# Altium PCB QCopterRC__Pcb.PcbDoc (part 1 of 3)
Units mil, origin at the board's own origin, x right, y up, seen from the top; angles counter-clockwise.
Board outline 6102.36 x 2362.2 mil, 2 copper layers (Top Layer, Bottom Layer); 121 components, 126 nets, 538 pads, 183 vias.
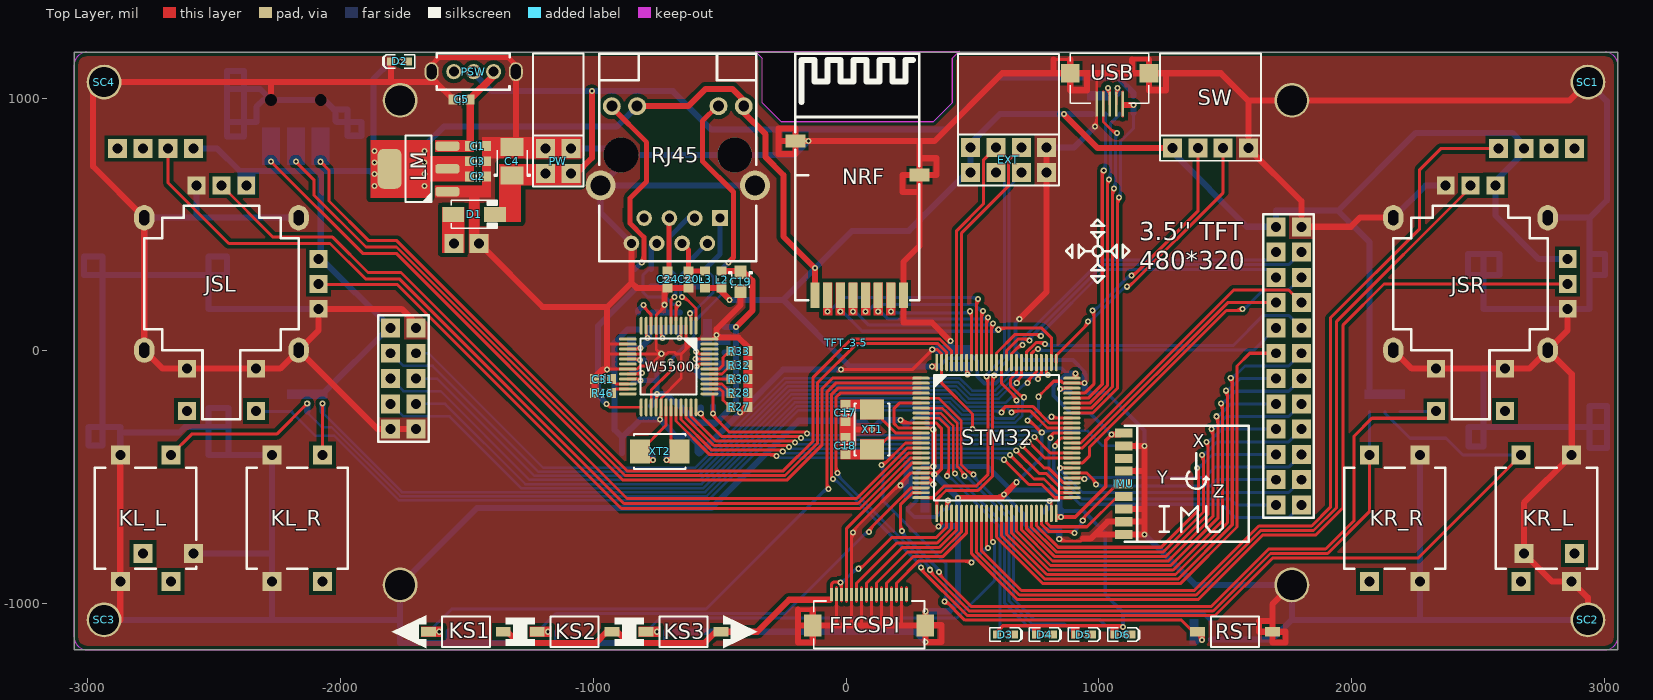
[diagram p0: Top Layer view]
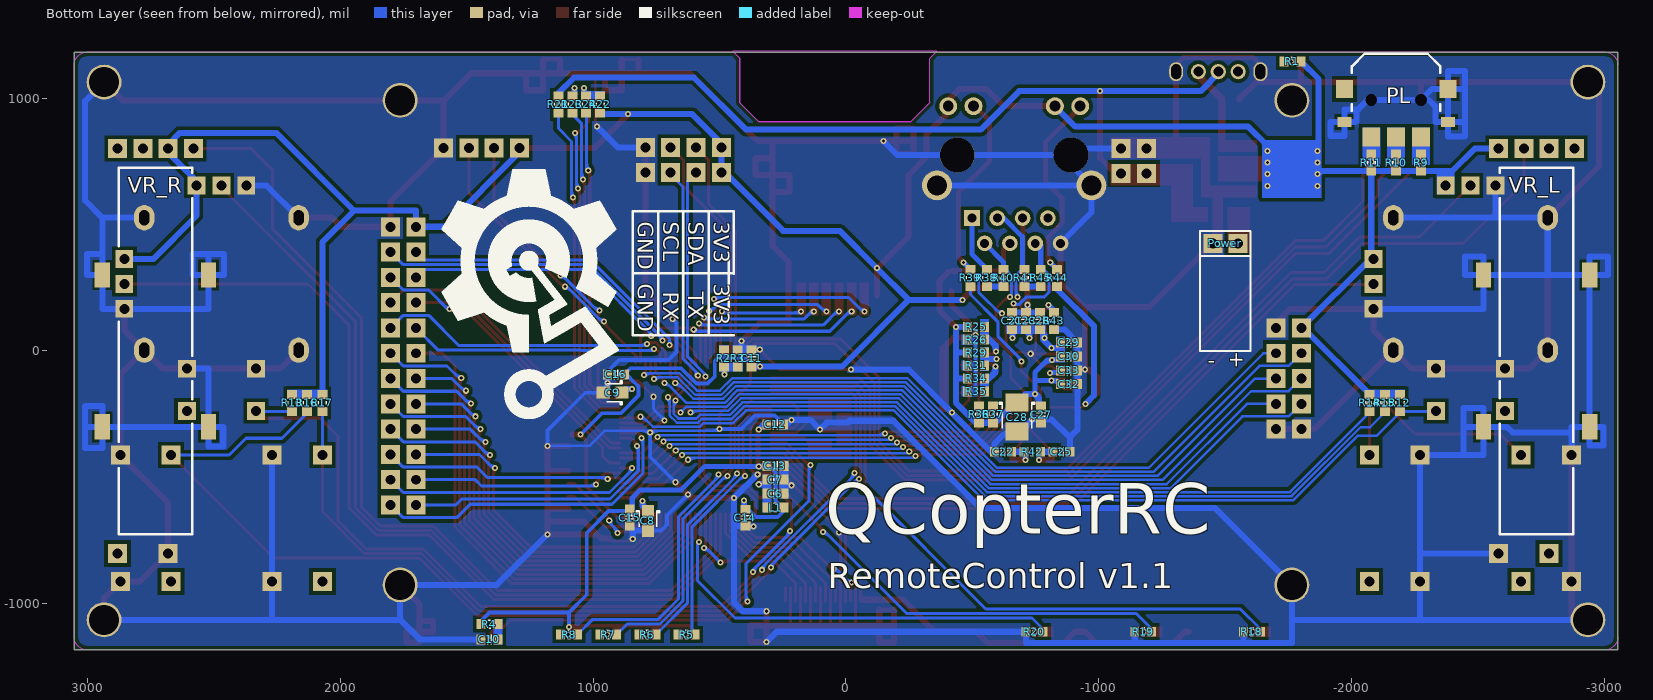
[diagram p1: Bottom Layer view, seen from below]

## Layer stack, top to bottom
Top Layer: signal copper 1.4
Dielectric: dielectric 12.6, FR-4, Dk 4.8
Bottom Layer: signal copper 1.4

## Board outline
-3051.18,1181.1 3051.18,1181.1 3051.18,-1181.1 -3051.18,-1181.1
cut-out: 447.5,1185 419.5,1157 419.5,982 344.5,907 -255.5,907 -330.5,982 -330.5,1157 -358.5,1185

## Design rules (kind name [scope] priority, off if disabled: settings)
Clearance Polygon [InPolygon] p1: gap=15
Clearance [All] p2: gap=6
ComponentClearance [All] p1: gap=0 collisioncheckmode=3 verticalgap=0 showdistances=FALSE
DiffPairsRouting DiffPair_DiffPairsRouting [InDifferentialPair ('USB')] p1: maxlimit=10 minlimit=10 mostfreqgap=10 maxuncoupledlength=500
DiffPairsRouting [All] p2: maxlimit=10 minlimit=10 mostfreqgap=10 maxuncoupledlength=500
Height [All] p1: minheight=0 maxheight=2000 prefheight=500
HoleSize [All] p1: absolutevalues=TRUE maxlimit=200 minlimit=1 maxpercent=80.000 minpercent=20.000
HoleToHoleClearance [All] p1: gap=0 allowstackedmicrovias=TRUE
MatchedLengths DiffPair_MatchedLengths [InDifferentialPair ('USB')] p1: tolerance=1000 checknetsindiffpair=TRUE checkdiffpairvsdiffpair=TRUE checkothers=TRUE
MinimumSolderMaskSliver [All] p1: minsoldermaskwidth=0
PlaneConnect [All] p1: planeconnectstyle=Direct reliefexpansion=20 reliefentries=4 reliefconductorwidth=10 reliefairgap=10
PolygonConnect [All] p1: connectstyle=Direct reliefconductorwidth=10 reliefentries=4 polygonreliefangle="90 Angle" airgapwidth=10
RoutingVias [All] p1: holewidth=12 width=24 viastyle="Through Hole" minholewidth=12 minwidth=20 maxholewidth=100 maxwidth=200
SilkToSilkClearance [All] p1: silktosilkclearance=2
SilkToSolderMaskClearance SilkscreenOverComponentPads [IsPad] p1: minsilkscreentomaskgap=2 clearancetoexposedcopper=TRUE
SolderMaskExpansion [All] p1: expansion=0
UnConnectedPin [All] p1:
Width [All] p1: maxlimit=30 minlimit=6 preferedwidth=10
19 further rules are at their usual default settings.

## Classes and differential pairs
component class USB: R21 R22 R23 R24 USB
component class SWD: SW SW1
component class POWER: C1 C2 C3 C4 C5 D1 D2 LED LM Power "Power 5V" PSW PW R1
component class LED: D3 D4 D5 D6 JP3 JP4 JP5 JP6 LED_1 LED_2 LED_B LED_G LED_R LED_W R5 R6 R7 R8
component class LCD: TFT_1 TFT_3.5
component class KEY: 1 JSL JSR KL_L KL_R KR_L KR_R KS1 KS2 KS3 PL R9 R10 R11 R12 R13 R14 R15 R16 R17 R18 R19 R20 S2 VR_L VR_R
component class EXTERN: EXT EXT1
component class IMU: IMU IMU1
component class NRF: NRF
component class QCopterRC_MAIN_Sch: Mark1 SC1 SC2 SC3 SC4
component class STM32F407V: C6 C7 C8 C9 C10 C11 C12 C13 C14 C15 C16 C17 C18 L1 R2 R3 R4 RST STM32 XT1
component class ETH: C19 C20 C21 C22 C23 C24 C25 C26 C27 C28 C29 C30 C31 C32 C33 L2 L3 R25 R26 R27 R28 R29 R30 R31 R32 R33 R34 R35 R36 R37 R38 R39 R40 R41 R42 R43 R44 R45 R46 RJ45 W5500 XT2
component class FFCSPI: FFCSPI

## Components (designator, comment, footprint, x,y, rotation, side; value= is the part's Value field where it differs from the comment)
C1 "Cap_0603" CAP_0603 -1455,810 r0 top
C2 "Cap_0603" CAP_0603 -1455,690 r180 top
C3 "Cap_0603" CAP_0603 -1455,750 r180 top
C4 "Cap_Tan_1210" CAP_TAN_B1210 -1320,750 r90 top
C5 "Cap_0603" CAP_0603 -1520,995 r0 top
C6 "Cap_0603" CAP_0603 279,-564 r180 bottom
C7 "Cap_0603" CAP_0603 279,-509 r180 bottom
C8 "Cap_Tan_0805" CAP_TAN_P0805 782.85,-672 r270 bottom
C9 "Cap_Tan_0805" CAP_TAN_P0805 923,-165 r0 bottom
C10 "Cap_0603" CAP_0603 1410,-1140 r0 bottom
C11 "Cap_0603" CAP_0603 373,-29 r270 bottom
C12 "Cap_0603" CAP_0603 279.77,-290.63 r0 bottom
C13 "Cap_0603" CAP_0603 279,-454 r0 bottom
C14 "Cap_0603" CAP_0603 398.15,-659.23 r90 bottom
C15 "Cap_0603" CAP_0603 855,-659 r90 bottom
C16 "Cap_0603" CAP_0603 910,-93 r180 bottom
C17 "Cap_0603" CAP_0603 -2,-245 r90 top
C18 "Cap_0603" CAP_0603 -2,-375 r270 top
C19 "Cap_Tan_0805" CAP_TAN_P0805 -417,274 r270 top
C20 "Cap_0603" CAP_0603 -622,283 r90 top
C21 "Cap_0603" CAP_0603 -656.27,118.58 r270 bottom
C22 "Cap_0603" CAP_0603 -621.27,-398.42 r180 bottom
C23 "Cap_0603" CAP_0603 -711.27,118.58 r270 bottom
C24 "Cap_0603" CAP_0603 -705,283 r90 top
C25 "Cap_0603" CAP_0603 -851.27,-398.42 r0 bottom
C26 "Cap_0603" CAP_0603 -766.27,118.58 r270 bottom
C27 "Cap_0603" CAP_0603 -771.27,-251.42 r90 bottom
C28 "Cap_Tan_1210" CAP_TAN_B1210 -676.27,-261.42 r270 bottom
C29 "Cap_0603" CAP_0603 -881.27,33.58 r180 bottom
C30 "Cap_0603" CAP_0603 -881.27,-21.42 r180 bottom
C31 "Cap_0603" CAP_0603 -961.27,-111.42 r0 top
C32 "Cap_0603" CAP_0603 -881.27,-131.42 r0 bottom
C33 "Cap_0603" CAP_0603 -881.27,-76.42 r0 bottom
D1 "Diode_SMA" DO-214AC -1470,540 r0 top
D2 "LED_0603_WHITE" LED_0603_WHITE -1765,1145 r180 top
D3 "LED_0603_RED" LED_0603_RED 630,-1121 r0 top
D4 "LED_0603_GREEN" LED_0603_GREEN 785,-1121 r0 top
D5 "LED_0603_BLUE" LED_0603_BLUE 940,-1121 r0 top
D6 "LED_0603_YELLOW" LED_0603_YELLOW 1095,-1121 r0 top
EXT "HDR2X4_90_2.54" HDR2X4_90_2.54 493,705 r0 top locked
FFCSPI "FFC_0.5_16" FFC_0.5_16 91,-1026 r0 top locked (schematic designator CamSPI)
IMU "IMU_10-DOF" "IMU 10-DOF v1.1" 1362,-480 r0 top
JSL "JoyStick" JoyStick -2469.06,265 r90 top locked
JSR "JoyStick" JoyStick 2469.06,265 r90 top locked
KL_L "BT_TACT_12X12_D180" BT_TACT_12X12_D180 -2669.06,-411.56 r270 top locked
KL_R "BT_TACT_12X12_D180" BT_TACT_12X12_D180 -2069.06,-411.56 r270 top locked
KR_L "BT_TACT_12X12_D180" BT_TACT_12X12_D180 2869.06,-411.56 r270 top locked
KR_R "BT_TACT_12X12_D180" BT_TACT_12X12_D180 2269.06,-411.56 r270 top locked
KS1 "BT_TACT_3x6_180" BT_TACT_3x6_180 -1355,-1110 r180 top locked
KS2 "BT_TACT_3x6_180" BT_TACT_3x6_180 -925,-1110 r180 top locked
KS3 "BT_TACT_3x6_180" BT_TACT_3x6_180 -495,-1110 r180 top locked
L1 "Ind_0603" IND_0603 279,-619 r0 bottom
L2 "Ind_0603" IND_0603 -492,282 r90 top
L3 "Ind_0603" IND_0603 -557,283 r90 top
LM "LM1117" SOT223 -1690,720 r180 top locked (schematic designator LM1)
NRF "nRF24L01P_PA_LNA" NRF24L01P_PA_LNA 300,200 r90 top locked
PL "BT_PushLever_11*12_90" BT_PushLever_11*12_90 -2175,985 r180 bottom locked
Power "HDR1X2_90_2.54" HDR1X2_90_2.54 -1550,425 r0 bottom locked
PSW "SW_SPDT_4.3X8.6_D90" SW_SPDT_4.3X8.6_D90 -1393,1104.13 r180 top locked
PW "HDR2X2_90_2.54" HDR2X2_90_2.54 -1188,701 r0 top locked
R1 "Res_0603" RES_0603 -1765,1145 r180 bottom
R2 "Res_0603" RES_0603 483,-29 r90 bottom
R3 "Res_0603" RES_0603 428,-29 r90 bottom
R4 "Res_0603" RES_0603 1410,-1080 r180 bottom
R5 "Res_0603" RES_0603 630,-1121 r0 bottom
R6 "Res_0603" RES_0603 785,-1121 r0 bottom
R7 "Res_0603" RES_0603 940,-1121 r0 bottom
R8 "Res_0603" RES_0603 1095,-1121 r0 bottom
R9 "Res_0603" RES_0603 -2273.42,745 r90 bottom
R10 "Res_0603" RES_0603 -2175,745 r90 bottom
R11 "Res_0603" RES_0603 -2076.57,745 r90 bottom
R12 "Res_0603" RES_0603 -2190,-205 r270 bottom
R13 "Res_0603" RES_0603 2190,-205 r270 bottom
R14 "Res_0603" RES_0603 -2070,-205 r270 bottom
R15 "Res_0603" RES_0603 -2130,-205 r270 bottom
R16 "Res_0603" RES_0603 2130,-205 r270 bottom
R17 "Res_0603" RES_0603 2070,-205 r270 bottom
R18 "Res_0603" RES_0603 -1605,-1110 r0 bottom
R19 "Res_0603" RES_0603 -1175,-1110 r0 bottom
R20 "Res_0603" RES_0603 -745,-1110 r0 bottom
R21 "Res_0603" RES_0603 1137,975 r270 bottom
R22 "Res_0603" RES_0603 972,975 r270 bottom
R23 "Res_0603" RES_0603 1082,975 r270 bottom
R24 "Res_0603" RES_0603 1027,975 r270 bottom
R25 "Res_0603" RES_0603 -514.27,95.58 r0 bottom
R26 "Res_0603" RES_0603 -514.27,44.58 r0 bottom
R27 "Res_0603" RES_0603 -421.27,-220.63 r180 top
R28 "Res_0603" RES_0603 -421.27,-165.63 r180 top
R29 "Res_0603" RES_0603 -514.27,-6.42 r0 bottom
R30 "Res_0603" RES_0603 -421.27,-110.63 r180 top
R31 "Res_0603" RES_0603 -514.27,-57.42 r0 bottom
R32 "Res_0603" RES_0603 -421.27,-55.63 r180 top
R33 "Res_0603" RES_0603 -421.27,-0.63 r180 top
R34 "Res_0603" RES_0603 -514.27,-108.42 r0 bottom
R35 "Res_0603" RES_0603 -514.27,-159.42 r0 bottom
R36 "Res_0603" RES_0603 -526.27,-250.42 r270 bottom
R37 "Res_0603" RES_0603 -581.27,-250.42 r270 bottom
R38 "Res_0603" RES_0603 -557,289 r90 bottom
R39 "Res_0603" RES_0603 -492,289 r90 bottom
R40 "Res_0603" RES_0603 -622,289 r270 bottom
R41 "Res_0603" RES_0603 -705,289 r90 bottom
R42 "Res_0603" RES_0603 -736.27,-398.42 r0 bottom
R43 "Res_0603" RES_0603 -822.27,118.58 r270 bottom
R44 "Res_0603" RES_0603 -835,289 r90 bottom
R45 "Res_0603" RES_0603 -770,289 r270 bottom
R46 "Res_0603" RES_0603 -961.27,-166.42 r180 top
RJ45 "RJ45" RJ-45_LED -665,680 r0 top locked
RST "BT_TACT_3x6_180" BT_TACT_3x6_180 1390,-1110 r0 top locked
SC1 "M3" SCRREW_M3 2933.07,1062.99 r0 top locked
SC2 "M3" SCRREW_M3 2933.07,-1062.99 r0 top locked
SC3 "M3" SCRREW_M3 -2933.07,-1062.99 r0 top locked
SC4 "M3" SCRREW_M3 -2933.07,1062.99 r0 top locked
STM32 "STM32F407V" STM32F_100 595,-344 r0 top locked
SW "HDR1X4_90F_2.54" HDR1X4_90F_2.54 1291,802 r0 top locked
TFT_3.5 "TFT_3.5" TFT_3.5_480*320 1700,490.95 r0 top locked
USB "USB_Micro" USB_MICRO_B 1042,976 r90 top locked
VR_L "RES_45MM_DIP" RES_45MM_DIP -2730,0 r270 bottom locked
VR_R "RES_45MM_DIP" RES_45MM_DIP 2730,0 r270 bottom locked
W5500 "W5500" W5500 -701.27,-61.42 r270 top
XT1 "XTAL_5032" XTAL_5032 103,-310 r90 top
XT2 "XTAL_5032" XTAL_5032 -736.27,-397.42 r0 top

## Footprints (in the part's own frame and the unit in brackets; to place one, negate y for a bottom-side part, rotate by r counter-clockwise, add the part's x,y. Pads: shape width x height; smd on the part's side, far side on the other; paste and mask are expansions set on the pad)
BT_PushLever_11*12_90 [mm]
  rect 1.4x1 smd: 0(-5.2,-2.032) 0(5.2,-2.032)
  round 0.254 hole 1.2: 0(-2.5,0.2) 0(2.5,0.2)
  rect 1.8x1.9 smd: 1(-2.5,-3.55) 2(0,-3.55) 3(2.5,-3.55)
  rect 1.7x1.8 smd: 4(5.2,1.3) 5(-5.2,1.3)
  silkscreen extent -4.44,-0.89 4.44,4.83
BT_TACT_3x6_180 [mm]
  rect 1.5x1 smd: 1(0,0) 2(7.509,0)
  silkscreen extent 1.35,-1.52 6.17,1.52, body extent 0.17,-1.75 7.37,1.75, height 5
BT_TACT_12X12_D180 [mm]
  rect 1.905x1.905 hole 1: 1(0,0) 2(0,-5.08) 3(12.7,0) 4(12.7,-5.08)
  silkscreen extent 1.27,-7.62 11.43,2.54, body extent -0.13,-8.54 12.87,3.46, height 7.43
CAP_0603 [mm] "Chip Capacitor, Body 1.6x0.8mm, 0603, IPC Medium Density"
  rect 0.9x1 smd: 1(-0.85,0) 2(0.85,0)
  Top Layer pour cut-out: -0.4,0.6 0.4,0.6 0.4,-0.6 -0.4,-0.6
  silkscreen extent -0.18,-0.48 0.18,0.48, body extent -0.85,-0.45 0.85,0.45, height 0.89
CAP_TAN_B1210 [mm] "Molded body capacitor, Body 3.5x2.8mm, 1210, IPC Nominal settings"
  rect 1.8x2.3 smd: 1(-1.45,0) 2(1.45,0)
  Top Layer pour cut-out: -0.508,1.27 0.508,1.27 0.508,-1.27 -0.508,-1.27
  silkscreen extent -1.5,-1.8 1.1,1.8, body extent -1.75,-1.4 1.75,1.4, height 2.1
CAP_TAN_P0805 [mm] "Molded body capacitor, Body 2.0x1.2mm, 0805, IPC Medium Density"
  rect 1.35x1.2 smd: 1(-0.95,0) 2(0.95,0)
  Top Layer pour cut-out: -0.4,0.8 0.4,0.8 0.4,-0.8 -0.4,-0.8
  silkscreen extent -1,-1.2 0.6,1.2, body extent -1.02,-0.67 1.03,0.68, height 1.5
DO-214AC [mm] "JEDEC DO214 variation AC. SMA"
  rect 2.2x1.5 smd: 1(-2.1,0) 2(2.1,0)
  silkscreen extent -2.3,-1.4 2.3,1.4, body extent -2.6,-1.3 2.6,1.3, height 2.42
FFC_0.5_16 [mm] "Connector; FH12 Series; 16 Position; 0.5mm Spaced Bottom Contact"
  rect 1.8x2.2 smd: 0(-5.65,-1.498) 0(5.65,-1.498)
  rect 0.3x1.3 smd: 1(-3.75,1.625) 2(-3.25,1.625) 3(-2.75,1.625) 4(-2.25,1.625) 5(-1.75,1.625) 6(-1.25,1.625) 7(-0.75,1.625) 8(-0.25,1.625) 9(0.25,1.625) 10(0.75,1.625) 11(1.25,1.625) 12(1.75,1.625) 13(2.25,1.625) 14(2.75,1.625) 15(3.25,1.625) 16(3.75,1.625)
  silkscreen extent -5.55,-3.81 5.55,0.97, body extent -6.75,-3.93 6.75,1.41, height 2.08
HDR1X2_90_2.54 [mm] "Connector; Header; 2 Position"
  rect 1.905x1.905 hole 1: 1(0,0) 2(2.54,0)
  silkscreen extent -1.27,-1.27 3.81,10.79, body extent -1.17,-0.38 3.71,10.76, height 2.52
HDR1X4_90F_2.54 [mm] "Connector; Header; 2 Position"
  rect 1.905x1.905 hole 1: 1(0,0) 2(2.54,0) 3(5.08,0) 4(7.62,0)
  silkscreen extent -1.27,-1.27 8.89,9.5, body extent -1.39,-0.16 9.02,9.9, height 2.52
HDR2X2_90_2.54 [mm] "Connector; Header; 2x2 Position"
  rect 1.905x1.905 hole 1: 1(0,0) 2(0,2.54) 3(2.54,0) 4(2.54,2.54)
  silkscreen extent -1.27,-1.27 3.81,12.06, body extent -1.27,-0.31 3.81,12.57, height 5.04
HDR2X4_90_2.54 [mm] "Connector; Header; 2x2 Position"
  rect 1.905x1.905 hole 1: 1(0,0) 2(0,2.54) 3(2.54,0) 4(2.54,2.54) 5(5.08,0) 6(5.08,2.54) 7(7.62,0) 8(7.62,2.54)
  silkscreen extent -1.27,-1.27 8.89,11.94, body extent -1.27,-0.31 8.89,12.57, height 5.04
"IMU 10-DOF v1.1" [mil]
  rect 70x36 smd: 1(-264,155) 2(-264,-245) 2(-264,-195) 2(-264,-145) 2(-264,105) 3(-264,55) 4(-264,5) 5(-264,-45) 6(-264,-95)
  silkscreen extent -260,-275 230,185, body extent -300,-275 230,185, height 75
IND_0603 [mm] "Chip bead, Body 1.6x0.8mm, 0603, IPC Medium Density"
  rect 0.9x1 smd: 1(-0.85,0) 2(0.85,0)
  Top Layer pour cut-out: -0.4,0.6 0.4,0.6 0.4,-0.6 -0.4,-0.6
  silkscreen extent -0.15,-0.41 0.15,0.41, body extent -0.8,-0.4 0.8,0.4, height 0.79
JoyStick [mil]
  oval 100x80 hole 40 slot 60 at 0 deg: 0(-261.81,-305.12) 0(-261.81,305.12) 0(261.81,-305.12) 0(261.81,305.12)
  rect 70x70 hole 39.37: 1(-98.43,-383.86) 2(0,-383.86) 3(98.43,-383.86) 4(388.86,-98.43) 5(388.86,0) 6(388.86,98.43) 7(-501.97,136.57) 8(-334.8,136.57) 9(-501.97,-136.57) 10(-334.8,-136.57)
  silkscreen extent -535,-305 310,305, body extent -592,-518 518,518, height 1126
LED_0603_BLUE [mm] "Chip Capacitor, 2-Leads, Body 1.6x0.8mm, IPC Medium Density"
  rect 0.8x0.8 smd: 1(-0.85,0) 2(0.85,0)
  Top Layer pour cut-out: -0.5,0.5 0.5,0.5 0.5,-0.5 -0.5,-0.5
  silkscreen extent -1.55,-0.67 1.68,0.67, body extent -0.8,-0.4 0.8,0.4, height 0.75
LED_0603_GREEN [mm] "Chip Capacitor, 2-Leads, Body 1.6x0.8mm, IPC Medium Density"
  rect 0.8x0.8 smd: 1(-0.85,0) 2(0.85,0)
  Top Layer pour cut-out: -0.5,0.5 0.5,0.5 0.5,-0.5 -0.5,-0.5
  silkscreen extent -1.55,-0.67 1.68,0.67, body extent -0.8,-0.4 0.8,0.4, height 0.75
LED_0603_RED [mm] "Chip Capacitor, 2-Leads, Body 1.6x0.8mm, IPC Medium Density"
  rect 0.8x0.8 smd: 1(-0.85,0) 2(0.85,0)
  Top Layer pour cut-out: -0.5,0.5 0.5,0.5 0.5,-0.5 -0.5,-0.5
  silkscreen extent -1.55,-0.67 1.68,0.67, body extent -0.8,-0.4 0.8,0.4, height 0.75
LED_0603_WHITE [mm] "Chip Capacitor, 2-Leads, Body 1.6x0.8mm, IPC Medium Density"
  rect 0.8x0.8 smd: 1(-0.85,0) 2(0.85,0)
  Top Layer pour cut-out: -0.5,0.5 0.5,0.5 0.5,-0.5 -0.5,-0.5
  silkscreen extent -1.55,-0.67 1.68,0.68, body extent -0.8,-0.4 0.8,0.4, height 0.75
LED_0603_YELLOW [mm] "Chip Capacitor, 2-Leads, Body 1.6x0.8mm, IPC Medium Density"
  rect 0.8x0.8 smd: 1(-0.85,0) 2(0.85,0)
  Top Layer pour cut-out: -0.5,0.5 0.5,0.5 0.5,-0.5 -0.5,-0.5
  silkscreen extent -1.55,-0.67 1.68,0.67, body extent -0.8,-0.4 0.8,0.4, height 0.75
NRF24L01P_PA_LNA [mm]
  rect 2.54x0.9 smd: 1(0.504,10.734) 2(0.504,9.464) 3(0.504,8.194) 4(0.504,6.924) 5(0.504,5.654) 6(0.504,4.384) 7(0.504,3.114) 8(0.504,1.844)
  rect 1.3x2 smd: 8(12.573,0.254) 8(16.002,12.7)
  silkscreen extent 0,0.25 24.77,12.72
RES_45MM_DIP [mil]
  rect 100x60 smd: 0(-300,-210) 0(-300,210) 0(300,-210) 0(300,210)
  rect 75x75 hole 39.37: 1(-800,-150) 2(-800,-50) 3(-800,50) 4(-800,150) 5(800,-150) 6(800,50)
  silkscreen extent -725,-145 725,145
RES_0603 [mm]
  rect 0.9x1 smd: 1(-0.85,0) 2(0.85,0)
  Top Layer pour cut-out: -0.4,0.6 0.4,0.6 0.4,-0.6 -0.4,-0.6
  silkscreen extent -0.15,-0.41 0.15,0.41, body extent -0.87,-0.47 0.88,0.48, height 0.54
RJ-45_LED [mm]
  round 3.5 hole 3.5: 0(-5.715,2.408) 0(5.715,2.408)
  rect 1.575x1.575 hole 0.9: 1(4.239,-3.928)
  round 1.575 hole 0.9: 2(2.969,-6.468) 3(1.699,-3.928) 4(0.429,-6.468) 5(-0.841,-3.928) 6(-2.111,-6.468) 7(-3.381,-3.928) 8(-4.651,-6.468)
  round 1.8 hole 1.1: 9(6.625,7.308) 10(4.085,7.308) 11(-4.085,7.308) 12(-6.625,7.308)
  round 3 hole 2: 13(-7.75,-0.642) 14(7.75,-0.642)
  silkscreen extent -7.87,-8.25 7.88,12.57, body extent -7.94,-8.86 7.94,12.54, height 13.59
SCRREW_M3 [mm]
  round 3.5 hole 3: 0(0,0)
SOT223 [mm] "SOT223, 4-Leads, Body 6.7x7.3mm (max), Pitch 2.29mm, IPC Medium Density"
  rrect50% 2.4x0.95 smd: 1(-2.9,2.29) 2(-2.9,0) 3(-2.9,-2.29)
  rrect50% 2.4x4 smd: 4(2.9,0)
  silkscreen extent -1.3,-3.35 1.3,3.35, body extent -3.65,-3.35 3.65,3.35, height 1.8
STM32F_100 [mm] "TSQFP, 100-Leads, Body 16.2x16.2mm (max), Pitch 0.50mm, IPC Medium Density"
  oval 1.75x0.3 smd: 1(-7.575,6) 2(-7.575,5.5) 3(-7.575,5) 4(-7.575,4.5) 5(-7.575,4) 6(-7.575,3.5) 7(-7.575,3) 8(-7.575,2.5) 9(-7.575,2) 10(-7.575,1.5) 11(-7.575,1) 12(-7.575,0.5) 13(-7.575,0) 14(-7.575,-0.5) 15(-7.575,-1) 16(-7.575,-1.5) 17(-7.575,-2) 18(-7.575,-2.5) 19(-7.575,-3) 20(-7.575,-3.5) 21(-7.575,-4) 22(-7.575,-4.5) 23(-7.575,-5) 24(-7.575,-5.5) 25(-7.575,-6) 51(7.575,-6) 52(7.575,-5.5) 53(7.575,-5) 54(7.575,-4.5) 55(7.575,-4) 56(7.575,-3.5) 57(7.575,-3) 58(7.575,-2.5) 59(7.575,-2) 60(7.575,-1.5) 61(7.575,-1) 62(7.575,-0.5) 63(7.575,0) 64(7.575,0.5) 65(7.575,1) 66(7.575,1.5) 67(7.575,2) 68(7.575,2.5) 69(7.575,3) 70(7.575,3.5) 71(7.575,4) 72(7.575,4.5) 73(7.575,5) 74(7.575,5.5) 75(7.575,6)
  oval 0.3x1.75 smd: 26(-6,-7.575) 27(-5.5,-7.575) 28(-5,-7.575) 29(-4.5,-7.575) 30(-4,-7.575) 31(-3.5,-7.575) 32(-3,-7.575) 33(-2.5,-7.575) 34(-2,-7.575) 35(-1.5,-7.575) 36(-1,-7.575) 37(-0.5,-7.575) 38(0,-7.575) 39(0.5,-7.575) 40(1,-7.575) 41(1.5,-7.575) 42(2,-7.575) 43(2.5,-7.575) 44(3,-7.575) 45(3.5,-7.575) 46(4,-7.575) 47(4.5,-7.575) 48(5,-7.575) 49(5.5,-7.575) 50(6,-7.575) 76(6,7.575) 77(5.5,7.575) 78(5,7.575) 79(4.5,7.575) 80(4,7.575) 81(3.5,7.575) 82(3,7.575) 83(2.5,7.575) 84(2,7.575) 85(1.5,7.575) 86(1,7.575) 87(0.5,7.575) 88(0,7.575) 89(-0.5,7.575) 90(-1,7.575) 91(-1.5,7.575) 92(-2,7.575) 93(-2.5,7.575) 94(-3,7.575) 95(-3.5,7.575) 96(-4,7.575) 97(-4.5,7.575) 98(-5,7.575) 99(-5.5,7.575) 100(-6,7.575)
  silkscreen extent -6.3,-6.3 6.3,6.3, body extent -8,-8 8,8, height 1.2
SW_SPDT_4.3X8.6_D90 [mil]
  oval 55x75 hole 39.37 slot 59.06 at 90 deg: 0(-87.68,0) 0(245.16,0)
  round 60 hole 39.37: 1(0,0) 2(78.74,0) 3(157.48,0)
  silkscreen extent -63,-72 225,72, body extent -91,-246 248,84, height 190
TFT_3.5_480*320 [mm]
  rect 1.905x1.905 hole 1: 1(0,0) 2(2.54,0) 3(0,-2.54) 4(2.54,-2.54) 5(0,-5.08) 6(2.54,-5.08) 7(0,-7.62) 8(2.54,-7.62) 9(0,-10.16) 10(2.54,-10.16) 11(0,-12.7) 12(2.54,-12.7) 13(0,-15.24) 14(2.54,-15.24) 15(0,-17.78) 16(2.54,-17.78) 17(0,-20.32) 18(2.54,-20.32) 19(0,-22.86) 20(2.54,-22.86) 21(0,-25.4) 22(2.54,-25.4) 23(0,-27.94) 24(2.54,-27.94) 25(-88.9,-10.16) 26(-86.36,-10.16) 27(-88.9,-12.7) 28(-86.36,-12.7) 29(-88.9,-15.24) 30(-86.36,-15.24) 31(-88.9,-17.78) 32(-86.36,-17.78) 33(-88.9,-20.32) 34(-86.36,-20.32)
  round 3.5 hole 3: 2(-87.952,-35.964) 2(-87.952,12.7) 2(1.592,-35.964) 2(1.592,12.7)
  silkscreen extent -90.17,-29.21 3.81,1.27, body extent -90.17,-29.21 3.81,1.27, height 7.58
USB_MICRO_B [mm] "Connector; USB2.0, Type A, SM; 5 Position; Right Angle"
  rect 2.5x0.25 smd: 1(0,-1.3) 2(0,-0.65) 3(0,0) 4(0,0.65) 5(0,1.3)
  rect 1.9x1.9 smd: ""(3.095,3.95) ""(3.095,-3.95)
  silkscreen extent 0.09,-3.94 5.11,3.94, body extent 0.24,-4 5.67,3.98, height 2.71
W5500 [mm] "TSQFP, 48-Leads, Body 7.00x7.00mm, Pitch 0.50mm, IPC Medium Density"
  oval 1.8x0.3 smd: 1(-4.1,2.75) 2(-4.1,2.25) 3(-4.1,1.75) 4(-4.1,1.25) 5(-4.1,0.75) 6(-4.1,0.25) 7(-4.1,-0.25) 8(-4.1,-0.75) 9(-4.1,-1.25) 10(-4.1,-1.75) 11(-4.1,-2.25) 12(-4.1,-2.75) 25(4.1,-2.75) 26(4.1,-2.25) 27(4.1,-1.75) 28(4.1,-1.25) 29(4.1,-0.75) 30(4.1,-0.25) 31(4.1,0.25) 32(4.1,0.75) 33(4.1,1.25) 34(4.1,1.75) 35(4.1,2.25) 36(4.1,2.75)
  oval 0.3x1.8 smd: 13(-2.75,-4.1) 14(-2.25,-4.1) 15(-1.75,-4.1) 16(-1.25,-4.1) 17(-0.75,-4.1) 18(-0.25,-4.1) 19(0.25,-4.1) 20(0.75,-4.1) 21(1.25,-4.1) 22(1.75,-4.1) 23(2.25,-4.1) 24(2.75,-4.1) 37(2.75,4.1) 38(2.25,4.1) 39(1.75,4.1) 40(1.25,4.1) 41(0.75,4.1) 42(0.25,4.1) 43(-0.25,4.1) 44(-0.75,4.1) 45(-1.25,4.1) 46(-1.75,4.1) 47(-2.25,4.1) 48(-2.75,4.1)
  silkscreen extent -2.8,-2.8 2.8,2.8, body extent -4.5,-4.5 4.5,4.5, height 1.2
XTAL_5032 [mm] "Molded Capacitor, 2-Leads, Body 5.0x3.2mm, IPC Medium Density"
  rect 2x2.4 smd: 1(-2,0) 2(2,0)
  silkscreen extent -2.6,-1.75 2.6,1.75, body extent -2.5,-1.6 2.5,1.6, height 1

## Part data
C1 C2 C3 C4 C5 C6 C7 C8 C9 C10 C11 C12 C13 C14 C15 C16 C17 C18 C19 C20 C21 C22 C23 C24 C25 C26 C27 C28 C29 C30 C31 C32 C33: "Capacitor"
D1: "Diode"
D2 D3 D4 D5 D6: "LED"
EXT Power PW SW: "Header"
FFCSPI: "FFC"
IMU: library part "IMU 10 DOF", "Module"
KL_L KL_R KR_L KR_R KS1 KS2 KS3 PL PSW RST: "Switch"
L1 L2 L3: "Inductor"
LM: "Power"
NRF: "Module"
R1 R2 R3 R4 R5 R6 R7 R8 R9 R10 R11 R12 R13 R14 R15 R16 R17 R18 R19 R20 R21 R22 R23 R24 R25 R26 R27 R28 R29 R30 R31 R32 R33 R34 R35 R36 R37 R38 R39 R40 R41 R42 R43 R44 R45 R46 VR_L VR_R: "Resistor"
RJ45: "ETH"
SC1 SC2 SC3 SC4: library part Screw_M3, "Screw"
STM32: "MCU"
TFT_3.5: library part TFT_3.5_480*320, "Module"
USB: "USB"
W5500: "Ethernet"
XT1 XT2: "Crystal Oscillator"

## Via types
v1: diameter 24, hole 12, Top Layer to Bottom Layer, 183 vias

## Nets (pads, with @x,y where several pads share a name; then routed paths per layer and width w, separated by ;. In a path a pad name is that pad's centre, name@x,y a point inside that pad or via, vN(x,y) a via of type N, cw(c..) or ccw(c..) an arc to the next point about the centre after c; other vN are vias at no path point)
1V2: C31.2 W5500.22 | length 72.9
  Top Layer w11: C31.2@-927.8,-111.42 -908.91,-130.31 W5500.22@-862.68,-130.31
3V3: C2.2 C3.2 C11.2 C12.2 C13.2 C14.2 C15.2 C16.2 D3.1 D4.1 D5.1 D6.1 EXT.1 EXT.2 FFCSPI.1 FFCSPI.3 IMU.1 JSL.3 JSL.4 JSR.3 JSR.4 KS1.1 KS2.1 KS3.1 L1.1 L2.1 L3.1 LM.2 LM.4 NRF.1 R1.2 R2.2 R4.1 R9.1 R10.1 R11.1 R12.1 R13.1 R14.1 R15.1 R16.1 R17.1 R22.2 RJ45.9 RJ45.11 STM32.6 STM32.11 STM32.19 STM32.28 STM32.50 STM32.75 STM32.100 SW.1 TFT_3.5.1 TFT_3.5.25 VR_L.1 VR_R.3 | length 18656.3
  Top Layer w12: -56.64,-989.05 FFCSPI.1@-56.64,-962.02 -56.64,-920.64 -50,-914 -24,-914 -17.27,-920.73 FFCSPI.3@-17.27,-962.02 -17.27,-989.05 ; -38.9,-914 cw(c-38.9,-931.9) -26.24,-919.24 cw(c-47.91,-940.91) FFCSPI.3@-17.27,-940.91 ; -34.07,-914 ccw(c-34.07,-902.93) v1@-26.24,-910.76 ; v1@49,-855 ccw(c49,-821.2) 72.9,-845.1 ; v1@53,-865 180,-738 356.18,-738 398.15,-696.03 STM32.28@398.15,-642.23 398.15,-591.85 v1@402.4,-587.6 ; STM32.19@296.77,-462.11 v1@339.89,-462.11 ; STM32.6@296.77,-206.2 210.8,-206.2 189,-228 189,-286 207.63,-304.63 STM32.11@296.77,-304.63 v1@345.63,-304.63 ; STM32.28@398.15,-620.61 cw(c432.61,-620.61) v1@408.24,-596.24
  Top Layer w15: D3.1@596.54,-1121 596.54,-1110.46 620.5,-1086.5 v1@1095,-1086.5 ; v1(850,-656) 906.43,-656 1027,-535.43 1027,-354 v1(1050,-331) ; 1073.27,-1086.5 cw(c1073.27,-1112.73) v1@1091.82,-1094.18
  Top Layer w18: v1@342.88,-453.88 ccw(c330.51,-441.51) 348,-441.51 ; v1@342.88,-312.12 cw(c330.51,-324.49) 348,-324.49 ; v1@348,-455 v1@348,-309
  Top Layer w24: LM.4@-1804.17,720 LM.2@-1575.83,720 ; -1716.7,720 cw(c-1716.7,648.3) v1(-1666,699) cw(c-1615.3,648.3) LM.2@-1615.3,720 ; C2.2@-1488.46,690 C3.2@-1488.46,750 ; KS1.1@-1355,-1110 -1340,-1110 -1295,-1155 -990,-1155 -945,-1110 KS2.1@-925,-1110 -905,-1110 -860,-1155 -560,-1155 -515,-1110 KS3.1@-495,-1110 -351,-1110 -224.52,-983.52 -62.69,-983.52 ; RJ45.11@-825.83,967.72 -623.28,967.72 -555,1036 -449,1036 RJ45.9@-404.17,991.17 ; L3.1@-556,248.54 L2.1@-492,248.54 ; L2.1@-498,240 v1(-460,202) ; RJ45.9@-404.17,942.17 -318,856 -318,766 -247,695 -247,452 v1(-122.6,327.6) NRF.1@-122.6,219.84 ; v1(340,-62) 352,-62 ; EXT.2@491,802 EXT.2@491,818 ; v1@838,-656 v1(850,-656) ; v1(861,936) 995,802 SW.1@1291,802 ; 907,-101 v1(907,-89) ; v1(1050,-331) IMU.1@1082.53,-331
  Bottom Layer w12: v1@-22,-909 ccw(c-22,-875.2) 1.9,-899.1 ; v1@-18,-919 v1@44,-857 ; 23.39,-877.61 cw(c49,-903.21) v1@49,-867 ; L1.1@245.54,-619 L1.1@251.84,-619 ; C11.2@373,-62.46 380,-69.46 C11.2@380,-69.97
  Bottom Layer w15: L1.1@245.54,-619 245.54,-631.54 270,-656 356,-656 C14.2@386.24,-625.76 ; L1.1@251.84,-619 279,-591.84 279,-479.46 C13.2@312.46,-446 ; C11.2@367.46,-62 400.46,-29 458.25,-29 R2.2@474,-13.25 ; R2.2@483,4.46 483,-13.25 492.04,-13.25 519,-40.21 519,-101 547,-129 591,-129 652,-68 851.54,-68 C16.2@876.54,-93 C16.2@867,-93 ; C15.2@855,-625.54 862.46,-633 939,-633 1025,-719 1025,-964 1095,-1034 ; C16.2@868,-93 835.5,-125.5 835.44,-125.5 820.5,-140.44 820.5,-176.5 890,-246 965,-246 v1(1050,-331) ; v1(1095,-1091) 1095,-1034 ; R4.1@1443.46,-1080 1443.46,-1068 1409.46,-1034 1095,-1034
  Bottom Layer w20: v1(345,-456) 558,-456 651,-549 813,-549 845,-581 C15.2@845,-625.54
  Bottom Layer w24: VR_L.1@-2580,800 -2486,800 -2397.54,711.54 R9.1@-2273.42,711.54 R10.1@-2175,711.54 R11.1@-2076.57,711.54 ; JSL.3@-2085.2,363.43 -2072.47,363.43 TFT_3.5.25@-1800,90.95 ; JSL.3@-2076.57,372.06 R11.1@-2076.57,711.54 ; R14.1@-2070,-171.54 TFT_3.5.25@-1803.76,94.71 ; -1894.09,711.54 cw(c-1894.09,668.74) v1(-1863.83,699) ; R1.2@-1798.46,1145 -1868,1075.46 -1868,794.83 v1(-1864.17,791) -1864.17,711.54 R11.1@-2076.57,711.54 ; -1666.35,711.54 v1(-1666.35,791) ; -1652.45,824.55 ccw(c-1618.9,791) v1(-1666.35,791) ; RJ45.11@-825.83,967.72 -906.54,887 -1590,887 -1666.35,810.65 v1(-1666.35,791) ; v1(-460,202) -248.2,202 ; C13.2@312.46,-456 v1(345,-456) ; C12.2@319,-284 v1@344,-309 ; C11.2@367.46,-62 v1(340,-62) 15.8,-62 -248.2,202 ; C14.2@404,-617.91 v1(404,-592) ; EXT.2@491,802 493.5,804.5 493.5,821.5 608,936 R22.2@974,936 ; EXT.2@493,805 EXT.1@493,705 478,705 248,475 24.8,475 v1(-122.6,327.6) -248.2,202 ; v1(850,-656) C15.2@850,-629 ; C16.2@880.54,-89 v1(907,-89) ; SW.1@1291,817 1291,785 1585.05,490.95 TFT_3.5.1@1700,490.95 1700,555 1945,555 ; R17.1@2070,-171.54 2070,430 1945,555 ; JSR.4@2567.49,670.51 JSR.4@2567.49,653.86 ; JSR.3@2852.92,363.43 2739.57,363.43 2567.49,535.51 JSR.4@2567.49,653.86 ; 1945,555 2252,862 2634,862 2680,816 VR_R.3@2680,800 2680,783 2567.49,670.49 JSR.4@2567.49,653.86
  other v1: -22,-915 49,-861 345,-310 -1863.65,653 -1665.83,653 -1864,745 -1666.17,745
3V3D: C19.1 C21.2 C23.2 C26.2 C27.2 C28.1 C29.1 C30.1 C32.2 L2.2 R25.2 R29.2 R34.2 R36.2 R37.2 W5500.4 W5500.8 W5500.11 W5500.15 W5500.17 W5500.21 W5500.28 | length 2454.9
  Top Layer w11: W5500.21@-862.68,-110.63 v1@-819.06,-110.63 ; W5500.17@-862.68,-31.89 v1@-814.27,-31.89 ; W5500.15@-862.68,7.48 v1@-814.27,7.48 ; W5500.17@-839.62,-31.89 cw(c-839.62,-61.24) v1@-818.86,-40.49 ; W5500.15@-838.62,7.48 ccw(c-838.62,36.83) v1@-817.86,16.08 ; v1@-789.85,52 W5500.11@-789.85,100 ; W5500.28@-750.48,-222.83 v1@-750.48,-175.42 ; W5500.28@-750.48,-194.77 cw(c-721.13,-194.77) v1@-741.88,-174.01 ; v1@-730.8,51.11 W5500.8@-730.8,100
  Top Layer w12: v1@-652.06,50.58 W5500.4@-652.06,100
  Top Layer w24: L2.2@-492,315.46 C19.1@-421.06,315.46 ; v1(-434.27,95.58) -370,159.85 -370,278 C19.1@-403.4,311.4
  Bottom Layer w20: v1@-814.41,-33.89 cw(c-817.43,8.96) C30.1@-847.8,-21.42 -833.33,-35.89 v1(-814.27,-35.89) -795.8,-35.89 -746.48,-85.2 -746.48,-116.42 ; v1@-814.27,-37.89 cw(c-814.27,-87.31) -779.32,-52.37 ; v1@-813.39,-118.41 ccw(c-816.2,-163.02) C32.2@-847.8,-131.42 -832.8,-116.42 v1(-813.27,-116.42) -746.48,-116.42 ; v1(-746.48,-169.42) -746.48,-116.42
  Bottom Layer w24: -846.8,11.48 v1(-813.27,11.48) v1@-784.27,40.48 ; -791.41,33.34 ccw(c-808.66,50.58) v1(-784.27,50.58) ; -778.27,65.07 cw(c-798.75,65.07) v1(-784.27,50.58) ; C26.2@-772.58,78.81 ccw(c-744.35,50.58) v1(-784.27,50.58) ; C27.2@-771.27,-217.95 -763.27,-209.95 -763.27,-186.2 v1(-746.48,-169.42) ; C26.2@-766.27,85.12 C26.2@-778.27,73.12 ; C27.2@-763.27,-209.94 cw(c-705.95,-209.94) v1(-746.48,-169.42) ; -763.27,-193.16 cw(c-738.09,-193.16) v1(-746.48,-169.42) ; C28.1@-676.27,-204.33 -711.18,-169.42 v1(-746.48,-169.42) ; C28.1@-660.82,-204.33 -669.82,-204.33 -590.27,-283.88 R37.2@-581.27,-283.88 R36.2@-526.27,-283.88 ; v1(-658.06,50.58) C21.2@-658.06,71.59 ; R36.2@-519,-289 -434.27,-204.27 v1(-434.27,95.58) R25.2@-480.8,95.58 ; R34.2@-480.8,-108.42 -434.27,-108.42 ; R29.2@-480.8,-6.42 -434.27,-6.42 ; v1@-784.27,40.48 v1(-784.27,50.58) ; v1@-784.27,40.48 -778.27,46.48 C26.2@-778.27,73.12 ; v1(-784.27,50.58) cw(c-761.82,56.67) C26.2@-778.27,73.12 ; v1(-724.8,50.58) cw(c-678.53,52.38) C23.2@-711.27,85.12 -724.8,71.59 v1(-724.8,50.58)
5V: C1.1 C5.2 LM.3 PSW.1 | length 391.8
  Top Layer w30: LM.3@-1575.67,810 C1.1@-1488.46,810 ; C1.1@-1485,822 -1485,996.54 PSW.1@-1393,1088.54
ACTLED: R39.1 W5500.27 | length 642.4
  Top Layer w11: W5500.27@-770.17,-222.83 -770.17,-155.31 -693.03,-78.18 v1(-693.03,-42.42) ; v1@-697.63,-47.01 cw(c-708.73,-58.11) -693.03,-58.11 cw(c-677.34,-58.11) v1@-688.44,-47.01
  Bottom Layer w12: v1@-697.03,-38.42 -600,58.62 -600,115 -492,223 R39.1@-492,255.54 ; v1@-687.03,-42.42 cw(c-653.23,-42.42) -677.13,-18.52
ADC_LX: JSL.5 STM32.15 | length 3360.8
  Top Layer w12: JSL.5@-2469.06,653.86 -2265.2,450 -2029.64,450 -1889.64,310 -1759,310 -866,-583 42,-583 241.63,-383.37 STM32.15@296.77,-383.37
ADC_LY: JSL.2 STM32.17 | length 2832.7
  Top Layer w12: JSL.2@-2082.2,262 -1773,262 -888,-623 55,-623 255.26,-422.74 STM32.17@296.77,-422.74
  Top Layer w24: JSL.2@-2085.2,265 JSL.2@-2082.2,262
ADC_LZ: STM32.16 VR_L.2 | length 3719.8
  Top Layer w12: VR_L.2@-2680,800 -2680,665 -2440,425 -2040,425 -1900,285 -1766.12,285 -878.12,-603 48,-603 247.94,-403.06 STM32.16@296.77,-403.06
ADC_RX: JSR.5 STM32.34 | length 3280.2
  Top Layer w12: STM32.34@516.26,-642.23 516.26,-795.8 685.46,-965 1384.46,-965 1639.46,-710 1848.54,-710 1940,-618.54 1940,117 JSR.5@2472.96,649.96
ADC_RY: JSR.2 STM32.33 | length 3530.7
  Top Layer w12: STM32.33@496.57,-642.23 496.57,-801.57 678,-983 1391.91,-983 1646.91,-728 1856,-728 1965.31,-618.69 1965.31,103.31 2127,265 JSR.2@2852.92,265
ADC_RZ: STM32.35 VR_R.4 | length 3567.1
  Top Layer w12: STM32.35@535.94,-642.23 535.94,-790.03 692.91,-947 1377,-947 1632,-692 1841.09,-692 1915,-618.09 1915,130 2268,483 2268,717 2351,800 2572,800 2580,792 VR_R.4@2580,800
BOOT0: R2.1 R3.1 STM32.94 | length 94.1
  Top Layer w12: v1@476.89,-88.89 STM32.94@476.89,-45.77 ; STM32.94@476.89,-68.59 ccw(c505.41,-68.59) v1@485.24,-88.76
  Bottom Layer w24: v1(481,-93) R2.1@481,-64.46
ETH_CSE: STM32.51 W5500.32 | length 1818.7
  Top Layer w12: W5500.32@-671.74,-222.83 -671.74,-277.03 -538.77,-410 v1@-274,-410 ; -302.97,-410 cw(c-302.97,-444.97) v1@-278.24,-420.24 ; v1@625,-436 cw(c625,-450.49) 635.24,-440.24 cw(c645.49,-430) v1@631,-430 ; v1(625,-430) 723,-528 773.94,-528 826.16,-580.22 STM32.51@893.23,-580.22
  Bottom Layer w10: v1@-274,-423 v1@625,-423 ; 591.2,-423 cw(c591.2,-463.8) v1@620.05,-434.95
  other v1: -274,-416
ETH_INT: R37.1 STM32.59 W5500.36 | length 1647.7
  Top Layer w12: W5500.36@-592.27,-247.42 v1(-574.27,-247.42) ; v1@-578.51,-251.66 ccw(c-588.75,-261.9) -588.75,-247.42 ccw(c-588.75,-232.93) v1@-578.51,-243.17 ; v1@-578.27,-251.42 -491.68,-338 v1@-178,-338 ; v1@-568.27,-247.42 ccw(c-534.47,-247.42) -558.37,-271.32 ; v1@721,-364 cw(c721,-378.49) 731.24,-368.24 cw(c741.49,-358) v1@727,-358 ; v1(721,-358) 785.74,-422.74 STM32.59@893.23,-422.74
  Bottom Layer w10: v1@-178,-351 v1@721,-351
  Bottom Layer w24: v1(-574.27,-247.42) R37.1@-574.27,-223.95
  other v1: -178,-344
ETH_MISO: STM32.53 W5500.34 | length 1696.1
  Top Layer w12: W5500.34@-632.37,-222.83 -632.37,-264.31 -522.68,-374 v1@-226,-374 ; v1@673,-400 cw(c673,-414.49) 683.24,-404.24 cw(c693.49,-394) v1@679,-394 ; v1(673,-394) 763,-484 791,-484 847.85,-540.85 STM32.53@893.23,-540.85
  Bottom Layer w10: v1@-226,-387 v1@673,-387
  other v1: -226,-380
ETH_MOSI: STM32.54 W5500.35 | length 1669.9
  Top Layer w12: W5500.35@-612.68,-222.83 -612.68,-258 -514.68,-356 v1@-202,-356 ; v1@697,-382 cw(c697,-396.49) 707.24,-386.24 cw(c717.49,-376) v1@703,-376 ; v1@702.37,-376 v1(697,-376) 783.11,-462.11 799.99,-462.11 859.05,-521.17 STM32.54@893.23,-521.17
  Bottom Layer w10: v1@-202,-369 v1@697,-369
  other v1: -202,-362
ETH_RST: R36.1 STM32.60 W5500.37 | length 1691
  Top Layer w12: v1@-531.27,-250.42 -461.68,-320 v1@-154,-320 ; v1@-530.51,-243.17 ccw(c-540.75,-232.93) -526.27,-232.93 ccw(c-511.78,-232.93) v1@-522.03,-243.17 ; v1(-526.27,-247.42) W5500.37@-526.27,-170.42 ; v1@-520.27,-247.42 ccw(c-486.47,-247.42) -510.37,-271.32 ; v1@745,-346 cw(c745,-360.49) 755.24,-350.24 cw(c765.49,-340) v1@751,-340 ; v1(745,-340) 808.06,-403.06 STM32.60@893.23,-403.06
  Bottom Layer w10: v1@-154,-333 v1@745,-333 ; v1@-149.05,-321.05 ccw(c-120.2,-292.2) -120.2,-333
  Bottom Layer w24: v1(-526.27,-247.42) R36.1@-526.27,-216.95
  other v1: -154,-326
ETH_SCK: STM32.52 W5500.33 | length 1727.7
  Top Layer w12: W5500.33@-652.06,-222.83 -652.06,-270.67 -530.73,-392 v1@-250,-392 ; v1@649,-418 cw(c649,-432.49) 659.24,-422.24 cw(c669.49,-412) v1@655,-412 ; v1(649,-412) 743,-506 783,-506 837.54,-560.54 STM32.52@893.23,-560.54
  Bottom Layer w10: v1@-250,-405 v1@649,-405
  other v1: -250,-398
EXRES: R43.1 W5500.10 | length 156.9
  Top Layer w12: v1@-804.27,177.58 -770.17,143.48 W5500.10@-770.17,100 ; v1@-794.27,181.58 ccw(c-760.47,181.58) -784.37,157.68
  Bottom Layer w24: R43.1@-822.27,152.05 -822.27,159.58 v1(-800.27,181.58)
EXT_RX: EXT.5 STM32.26 | length 1612.1
  Top Layer w12: STM32.26@358.78,-642.23 358.78,-588.68 395.46,-552 522.46,-552 580,-494.46 v1@580,-97 ; 580,-125.97 cw(c614.97,-125.97) v1@590.24,-101.24
  Bottom Layer w12: v1@582,-93 644,-31 644,648 EXT.5@695,699 ; v1@592,-97 cw(c625.8,-97) 601.9,-73.1 ; EXT.5@693,697 EXT.5@693,705
  other v1: 586,-97
EXT_SCL: EXT.6 STM32.95 | length 948.4
  Top Layer w12: STM32.95@457.2,-45.77 457.2,467.2 643,653 643,755 EXT.6@693,805
EXT_SDA: EXT.4 STM32.96 | length 911.3
  Top Layer w12: STM32.96@437.52,-45.77 437.52,475.52 543,581 543,754 EXT.4@591,802
EXT_TX: EXT.3 STM32.25 | length 1563.6
  Top Layer w12: STM32.25@296.77,-580.22 341.78,-580.22 388,-534 515,-534 562,-487 v1@562,-101 ; v1@551.76,-105.24 cw(c527.03,-129.97) 562,-129.97
  Bottom Layer w12: v1@552,-97 626,-23 626,672 EXT.3@593,705
  other v1: 556,-101
FFC_CST: FFCSPI.6 STM32.29 | length 597
  Top Layer w12: 41.79,-990 41.79,-918.21 201,-759 360.63,-759 417.83,-701.8 STM32.29@417.83,-642.23
FFC_DC: FFCSPI.14 STM32.36 | length 702.8
  Top Layer w12: 199.27,-990 199.27,-917.73 286,-831 v1@493,-831 ; 467.03,-831 cw(c467.03,-865.97) v1@491.76,-841.24 ; v1@555.63,-779.63 STM32.36@555.63,-642.23
  Bottom Layer w12: v1@496,-831 ccw(c496,-818.3) 504.98,-827.28 ; v1@496.63,-835.63 v1@556.63,-775.63 ; v1@502,-837 cw(c518.27,-837) 506.77,-825.49 ; 536.02,-796.24 cw(c561.63,-821.84) v1@561.63,-785.63
  other v1: 496,-837 561.63,-779.63
FFC_MISO: FFCSPI.10 STM32.31 | length 564.9
  Top Layer w12: 120.53,-990 120.53,-917.47 243,-795 375.54,-795 457.2,-713.34 STM32.31@457.2,-642.23
FFC_MOSI: FFCSPI.12 STM32.32 | length 548.2
  Top Layer w12: 159.9,-990 159.9,-918.1 265,-813 383,-813 476.89,-719.11 STM32.32@476.89,-642.23
FFC_RST: FFCSPI.4 STM32.18 | length 690.2
  Top Layer w12: 2.42,-990 2.42,-701.42 261.41,-442.43 STM32.18@296.77,-442.43
FFC_SCK: FFCSPI.8 STM32.30 | length 581
  Top Layer w12: 81.16,-990 81.16,-917.84 222,-777 368.09,-777 437.52,-707.57 STM32.30@437.52,-642.23